# Altium PCB MAIN.PcbDoc (part 2 of 2) (continued)
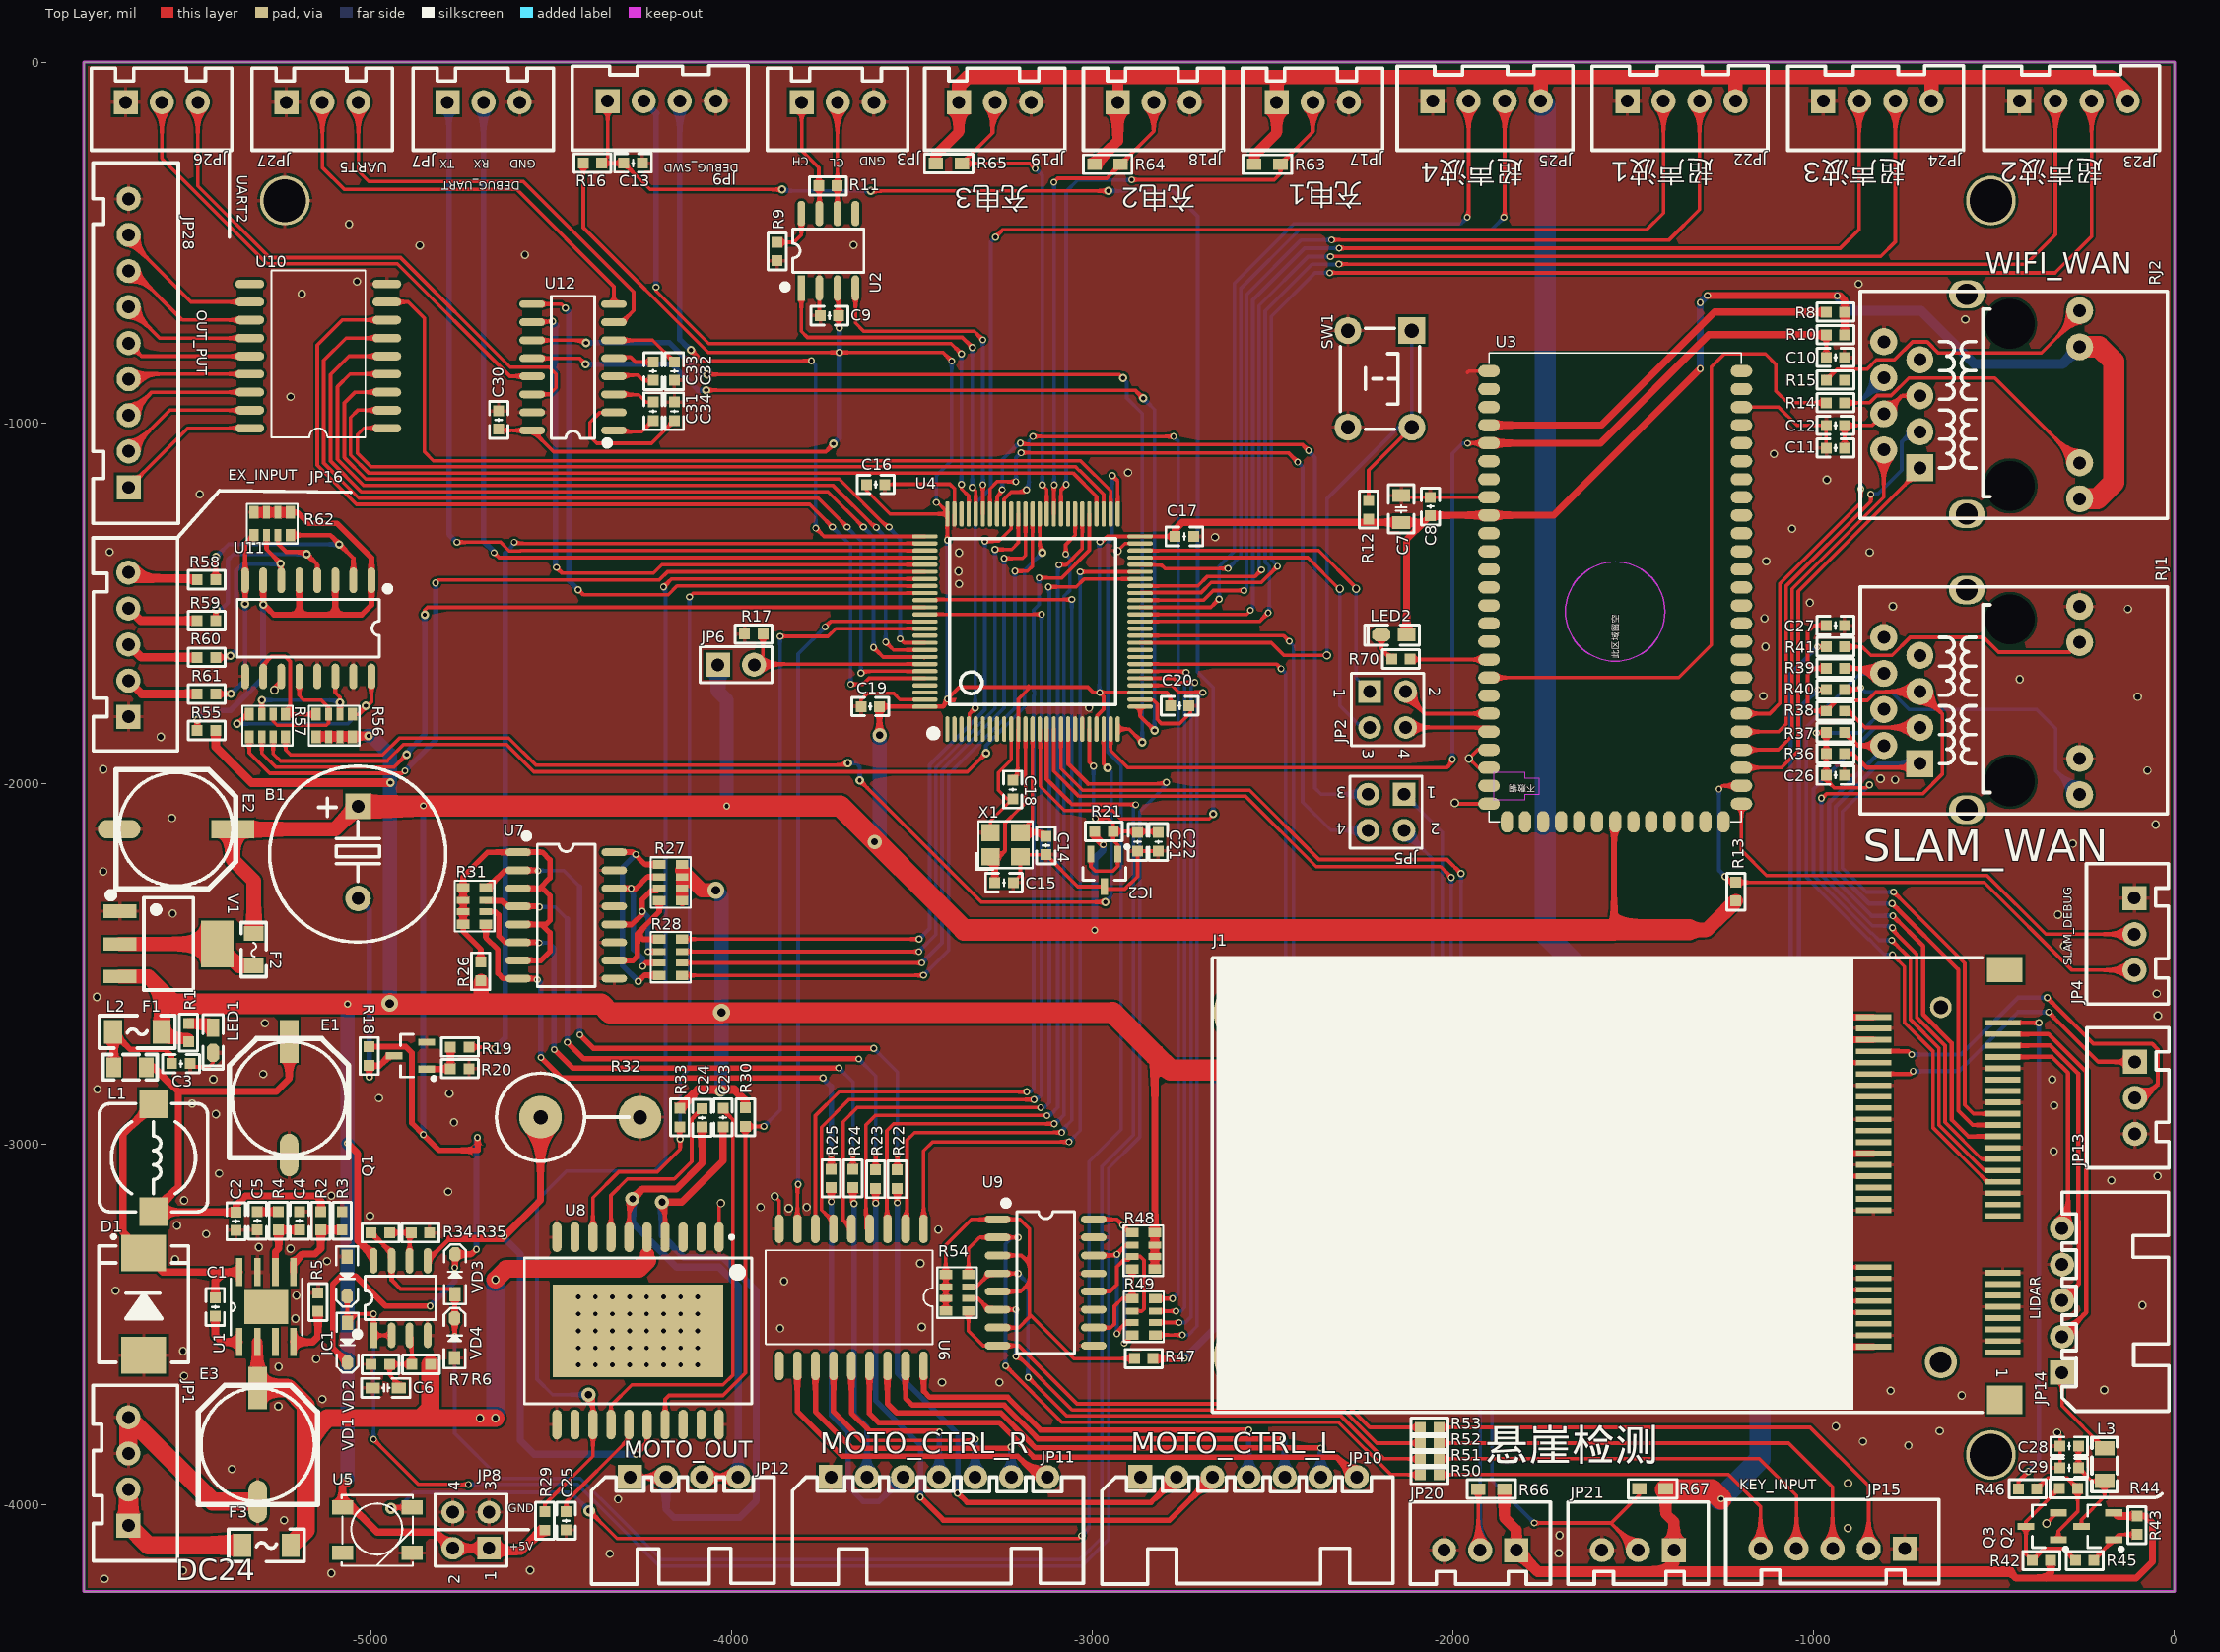
[diagram p0: Top Layer view]
## Nets (pads, with @x,y where several pads share a name; then routed paths per layer and width w, separated by ;. In a path a pad name is that pad's centre, name@x,y a point inside that pad or via, vN(x,y) a via of type N, cw(c..) or ccw(c..) an arc to the next point about the centre after c; other vN are vias at no path point) (continued)
NetJP28_3: JP28.3 U10.16 | length 362.5
  Top Layer w10: JP28.3@-5671,-979 -5607,-915 U10.16@-5335,-915
NetJP28_4: JP28.4 U10.15 | length 341.8
  Top Layer w10: JP28.4@-5671,-879 -5657,-865 U10.15@-5335,-865
NetJP28_5: JP28.5 U10.14 | length 350.9
  Top Layer w10: JP28.5@-5671,-779 -5635,-815 U10.14@-5335,-815
NetJP28_6: JP28.6 U10.13 | length 371.6
  Top Layer w10: JP28.6@-5671,-679 -5585,-765 U10.13@-5335,-765
NetJP28_7: JP28.7 U10.12 | length 392.3
  Top Layer w10: JP28.7@-5671,-579 -5658,-579 -5522,-715 U10.12@-5335,-715
NetJP28_8: JP28.8 U10.11 | length 420.7
  Top Layer w10: JP28.8@-5671,-479 -5671,-492 -5498,-665 U10.11@-5335,-665
NetLED1_1: LED1.1 R1.1 | length 73.1
  Top Layer w30: R1.1@-5505,-2665.41 -5448.34,-2665.41 LED1.1@-5436.74,-2677
NetLED2_2: LED2.2 R70.1 | length 78.5
  Top Layer w10: LED2.2@-2198,-1588.26 -2198,-1626.59 R70.1@-2169.59,-1655
NetQ1_1: Q1.1 R19.1 R20.2 | length 127
  Top Layer w15.75: Q1.1@-4845,-2792.4 -4779.99,-2792.4 R20.2@-4778.59,-2791 R19.1@-4778.59,-2731
NetQ2_1: Q2.1 R43.1 R45.2 | length 150.7
  Top Layer w10: R45.2@-222.41,-4155 -222.41,-4152.81 Q2.1@-167,-4097.4 -152.19,-4082.59 R43.1@-103,-4082.59
NetQ3_1: Q3.1 R44.1 R46.2 | length 302
  Top Layer w10: R46.2@-380.41,-3956 -350.41,-3926 -296.4,-3926 R44.1@-267.41,-3955 -267.41,-4019.44 -321,-4073.03 Q3.1@-321,-4097.4
NetQ3_3: Q3.3 R42.1 R44.2 R45.1 | length 392.8
  Top Layer w10: R44.2@-318.59,-3955 -411,-4047.41 Q3.3@-411,-4060 -411,-4137.6 R42.1@-393.59,-4155 -360.59,-4122 -306.6,-4122 R45.1@-273.59,-4155
NetR2_1: R2.1 R3.2 U1.5 | length 227.4
  Top Layer w20: U1.5@-5214,-3355 -5214,-3330 -5189,-3305 -5154,-3305 -5138,-3289 R2.1@-5138,-3238.59 R3.2@-5079,-3238.59
NetR5_2: R5.2 U1.4 | length 144.6
  Top Layer w20: U1.4@-5214,-3549 -5161,-3549 -5146,-3534 R5.2@-5146,-3463.59
NetR9_1: R9.1 U2.8 | length 134.8
  Top Layer w10: R9.1@-3873,-499.41 -3826.41,-499.41 -3806,-479 U2.8@-3806,-419.65
NetR14_2: R14.2 RJ2.10 | length 777.3
  Top Layer w10: R14.2@-913.41,-944.33 -844.33,-944.33 -824.5,-924.5 -784.49,-924.5 -735.49,-875.5 -497.42,-875.5 RJ2.10@-262.09,-1110.83
NetR15_2: R15.2 RJ2.12 | length 813.7
  Top Layer w10: R15.2@-964.59,-881.5 -934.09,-851 -851,-851 -825.5,-825.5 -775.5,-825.5 -725.5,-775.5 -684.49,-775.5 -654.09,-805.9 -367.9,-805.9 -262.09,-700.09 RJ2.12@-262.09,-689.18
NetR26_2: R26.2 R31.1 R31.2 R31.3 R31.4 U7.1 U7.3 U7.5 U7.7 | length 1066.7
  Top Layer w15: R26.2@-4695,-2495.41 -4695,-2459 -4743.5,-2410.5 R31.4@-4743.5,-2390.39 R31.3@-4743.5,-2355.75 R31.2@-4743.5,-2324.25 R31.1@-4743.5,-2289.61 -4743.5,-2258.5 -4676,-2191 U7.1@-4591.27,-2191 -4524,-2191 -4503,-2212 -4503,-2262 -4532,-2291 ; U7.7@-4591.27,-2491 -4528,-2491 -4503,-2466 -4503,-2414 -4526,-2391 ; U7.5@-4591.27,-2391 -4514,-2391 -4503,-2380 -4503,-2311 -4523,-2291 U7.3@-4591.27,-2291
NetR27_1: R27.1 R28.8 U7.16 | length 590.4
  Top Layer w15: U7.16@-4324.73,-2191 -4273,-2191 -4239.39,-2224.61 R27.1@-4199.5,-2224.61 ; v1(-4258,-2549) -4241.39,-2532.39 R28.8@-4199.5,-2532.39
  Bottom Layer w15: v1(-4265,-2197) -4302.34,-2234.34 -4302.34,-2504.66 v1(-4258,-2549)
NetR27_2: R27.2 R28.7 U7.14 | length 418
  Top Layer w15: U7.14@-4324.73,-2291 -4264,-2291 -4232.25,-2259.25 R27.2@-4199.5,-2259.25 ; v1(-4246,-2507) -4236.75,-2497.75 R28.7@-4199.5,-2497.75
  Bottom Layer w15: v1(-4278,-2291) -4271.34,-2297.66 -4271.34,-2460.08 -4246,-2485.43 v1(-4246,-2507)
NetR27_3: R27.3 R28.6 U7.12 | length 339.5
  Top Layer w15: U7.12@-4324.73,-2391 -4276,-2391 -4247,-2362 -4247,-2321.88 -4223.22,-2298.1 -4206.85,-2298.1 R27.3@-4199.5,-2290.75 ; v1(-4230.75,-2466.25) R28.6@-4199.5,-2466.25
  Bottom Layer w15: v1(-4247,-2355) -4230.75,-2371.25 v1(-4230.75,-2466.25)
NetR27_4: R27.4 R28.5 U7.10 | length 315.6
  Top Layer w15: U7.10@-4324.73,-2491 -4273,-2491 -4261.5,-2479.5 -4261.5,-2417.5 ; R28.5@-4199.5,-2431.61 -4247.39,-2431.61 -4261.5,-2417.5 ; R27.4@-4199.5,-2325.39 -4199.5,-2355.5 -4261.5,-2417.5
NetR28_1: R28.1 U4.63 | length 2095
  Top Layer w10: R28.1@-4136.5,-2532.39 v1@-3466.39,-2532.39 ; v1(-3214,-1411) -3179,-1411 -3164.99,-1396.99 U4.63@-3164.99,-1252.76
  Bottom Layer w10: v1(-3467,-2532) -3398,-2463 -3398,-1975 -3214,-1791 v1(-3214,-1411)
NetR28_2: R28.2 U4.64 | length 2058.9
  Top Layer w10: R28.2@-4136.5,-2497.75 v1@-3471.75,-2497.75 ; v1(-3244,-1376) -3193,-1376 -3184.68,-1367.68 U4.64@-3184.68,-1252.76
  Bottom Layer w10: v1(-3472,-2498) -3416,-2442 -3416,-1963.08 -3243.96,-1791.04 -3244,-1791 v1(-3244,-1376)
NetR28_3: R28.3 U4.65 | length 2011
  Top Layer w10: R28.3@-4136.5,-2466.25 v1(-3480.25,-2466.25) ; v1(-3269,-1351) -3223,-1351 -3204.36,-1332.36 U4.65@-3204.36,-1252.76
  Bottom Layer w10: v1(-3480.25,-2466.25) -3433,-2419 -3433,-1956.04 -3268.98,-1792.02 v1(-3269,-1351)
NetR28_4: R28.4 U4.66 | length 1964.4
  Top Layer w10: R28.4@-4136.5,-2431.61 v1(-3479.61,-2431.61) ; v1(-3297,-1328) -3258,-1328 -3224.05,-1294.05 U4.66@-3224.05,-1252.76
  Bottom Layer w10: v1(-3479.61,-2431.61) -3450,-2402 -3450,-1949 -3297,-1796 v1(-3297,-1328)
NetR40_2: R40.2 RJ1.9 | length 845.2
  Top Layer w10: R40.2@-913.41,-1739.85 -874.85,-1739.85 v1(-869,-1734)
  Bottom Layer w10: v1(-869,-1734) -857.5,-1745.5 -784.49,-1745.5 -734.99,-1795 -381,-1795 -328,-1848 -328,-1964.91 RJ1.9@-262.09,-2030.83
NetR41_2: R41.2 RJ1.11 | length 709.9
  Top Layer w10: R41.2@-913.41,-1621.28 -864.72,-1621.28 -841,-1645 -782,-1645 -732,-1595 -528,-1595 -487,-1636 -288.91,-1636 RJ1.11@-262.09,-1609.18
NetR47_2: R47.2 R54.1 R54.2 R54.3 R54.4 U9.1 U9.3 U9.5 U9.7 | length 1336.4
  Top Layer w10: R54.4@-3405.5,-3462.39 R54.3@-3405.5,-3427.75 R54.2@-3405.5,-3396.25 R54.1@-3405.5,-3361.61 -3405.5,-3280.5 -3334,-3209 U9.1@-3261.93,-3209 -3200,-3209 -3174,-3235 -3174,-3331 ; U9.7@-3261.93,-3509 -3203,-3509 -3174,-3480 -3174,-3471 ; U9.5@-3261.93,-3409 -3198,-3409 -3174,-3385 ; U9.3@-3261.93,-3309 -3196,-3309 -3174,-3331 ; R47.2@-2882.59,-3595 -3050,-3595 -3174,-3471 ; -3174,-3471 -3174,-3385 ; -3174,-3385 -3174,-3331
NetR48_1: R48.1 R49.8 U9.16 | length 484.1
  Top Layer w10: U9.16@-2995.4,-3209 -2931,-3209 -2894.39,-3245.61 R48.1@-2889.16,-3245.61 ; v1(-2911,-3552.23) R49.8@-2888.16,-3529.39
  Bottom Layer w10: v1(-2915,-3225) -2909.16,-3230.84 -2909.16,-3550.39 v1(-2911,-3552.23)
NetR48_2: R48.2 R49.7 U9.14 | length 397.4
  Top Layer w10: U9.14@-2995.4,-3309 -2936,-3309 -2907.25,-3280.25 R48.2@-2889.16,-3280.25 ; v1(-2931,-3526) -2931,-3520 -2905.75,-3494.75 R49.7@-2888.16,-3494.75
  Bottom Layer w10: v1(-2931,-3526) v1(-2931,-3306)
NetR48_3: R48.3 R49.6 U9.12 | length 382.5
  Top Layer w10: U9.12@-2995.4,-3409 -2950,-3409 -2931,-3390 -2931,-3340.75 -2911.85,-3321.6 -2899.01,-3321.6 R48.3@-2889.16,-3311.75 -2866.25,-3311.75 -2856,-3322 -2856,-3457 -2862.25,-3463.25 R49.6@-2888.16,-3463.25
NetR48_4: R48.4 R49.5 U9.10 | length 251.9
  Top Layer w10: U9.10@-2995.4,-3509 -2948,-3509 -2938,-3499 -2938,-3450 -2916.61,-3428.61 R49.5@-2888.16,-3428.61 -2889.16,-3427.61 R48.4@-2889.16,-3346.39
NetR55_2: R55.2 R62.1 R62.2 R62.3 R62.4 U11.1 U11.3 U11.5 U11.7 | length 1558.5
  Top Layer w15.75: v4(-5481,-1824) -5480.59,-1824.41 R55.2@-5480.59,-1853 ; U11.7@-5297.93,-1436.7 v4(-5297.93,-1504.07) -5295.93,-1504.07 -5268,-1532 -5197.93,-1532 ; R62.1@-5222.61,-1248.5 -5202.5,-1248.5 -5172,-1279 -5093,-1279 -4997.93,-1374.07 U11.1@-4997.93,-1436.7 -4997.93,-1504.93 -5025,-1532 -5097.93,-1532 ; U11.5@-5197.93,-1436.7 -5197.93,-1532 ; U11.3@-5097.93,-1436.7 -5097.93,-1532 ; -5197.93,-1532 -5097.93,-1532
  Top Layer w27.56: R62.4@-5323.39,-1248.5 R62.3@-5288.75,-1248.5 R62.2@-5257.25,-1248.5 R62.1@-5222.61,-1248.5
  Bottom Layer w15.75: v4(-5481,-1824) -5481,-1814 -5465,-1798 -5389,-1798 -5298,-1707 -5298,-1706 -5297.93,-1705.93 v4(-5297.93,-1504.07)
NetR56_1: R56.1 R57.8 U11.16 | length 560
  Top Layer w10: v4(-5370,-1835) -5343.5,-1808.5 R57.8@-5336.39,-1808.5 ; R56.1@-5050.61,-1808.5 -5032.5,-1808.5 -4997.93,-1773.93 U11.16@-4997.93,-1703.24
  Bottom Layer w10: v4(-5370,-1835) -5063,-1835 v4(-5013,-1785)
NetR56_2: R56.2 R57.7 U11.14 | length 369.7
  Top Layer w10: v4(-5301.87,-1769.13) -5301.75,-1769.25 R57.7@-5301.75,-1808.5 ; U11.14@-5097.93,-1703.24 -5097.93,-1748.07 -5085.25,-1760.75 R56.2@-5085.25,-1808.5
  Bottom Layer w10: v4(-5301.87,-1769.13) -5091.87,-1769.13 v4(-5085,-1776)
NetR56_3: R56.3 R57.6 U11.12 | length 371.9
  Top Layer w10: R57.6@-5270.25,-1808.5 -5270.25,-1827.75 -5259,-1839 -5123,-1839 -5116.75,-1832.75 R56.3@-5116.75,-1808.5 -5116.75,-1789.25 -5137,-1769 -5186,-1769 -5198,-1757 -5198,-1703.31 U11.12@-5197.93,-1703.24
NetR56_4: R56.4 R57.5 U11.10 | length 367.3
  Top Layer w10: U11.10@-5297.93,-1712.07 U11.10@-5297.93,-1703.24 -5297.93,-1670.93 -5275,-1648 -5237,-1648 -5223,-1662 -5223,-1795.9 R57.5@-5235.61,-1808.5 R56.4@-5151.39,-1808.5
NetU4_25: U4.25 U12.11 | length 2800.7
  Top Layer w10: U12.11@-4552.27,-771 -4410,-771 v4(-4403,-778) v4@-4400,-781 ; v4(-4067,-866) -2924,-866 v4(-2914,-876) ; U4.25@-2928.77,-1849.24 -2897.76,-1849.24 v4(-2861,-1886)
  Bottom Layer w10: v4@-2914.5,-876.5 -2904,-887 -2904,-931 -2861,-974 v4(-2861,-1886)
  Bottom Layer w15: v4(-4403,-778) -4172,-778 -4084,-866 v4(-4067,-866)
NetU4_26: U4.26 U12.12 | length 2757.2
  Top Layer w10: U12.12@-4552.27,-821 -4421,-821 v4(-4404,-838) ; v4(-4069.5,-909.5) -2879,-909.5 -2879,-911 v4(-2858,-932) ; U4.26@-2866.75,-1787.22 -2866.75,-1813.25 v4(-2827,-1853)
  Bottom Layer w10: v4(-2858,-932) -2827,-963 v4(-2827,-1853)
  Bottom Layer w15: v4(-4404,-838) -4164,-838 -4092.5,-909.5 v4(-4069.5,-909.5)
NetU4_44: U4.44 U6.5 | length 2595
  Top Layer w10: U6.5@-3667,-3235 -3690,-3212 -3690,-2938 -3651,-2899 v1(-3143,-2899) ; v1(-3121,-1455) -3044,-1455 -3024.05,-1435.05 -3023.95,-1435.05 -3021.8,-1432.89 U4.44@-2866.75,-1432.89
  Bottom Layer w10: v1(-3143,-2899) -3132,-2899 -3118.16,-2885.16 -3118.16,-1457.84 v1(-3121,-1455)
NetU4_45: U4.45 U6.1 | length 2389.2
  Top Layer w10: U6.1@-3467,-3235 -3467,-3019 -3442,-2994 v1(-3064,-2994) ; v1(-3033,-1413.2) U4.45@-2866.75,-1413.2
  Bottom Layer w10: v1(-3064,-2994) -3033,-2963 v1(-3033,-1413.2)
NetU4_55: U4.55 U6.7 | length 2646.5
  Top Layer w10: U6.7@-3767,-3235 -3767,-2921 -3701,-2855 v1(-3181,-2855) ; v1(-3147,-1430) -3084.07,-1430 -3007.51,-1353.44 U4.55@-3007.51,-1252.76
  Bottom Layer w10: v1(-3181,-2855) -3170,-2855 -3161.84,-2846.84 -3161.84,-1757.01 -3159.77,-1754.94 -3159.77,-1745 -3161.84,-1742.93 -3161.84,-1518.84 -3147,-1504 v1(-3147,-1430)
NetU4_56: U4.56 U6.4 | length 2535.9
  Top Layer w10: U6.4@-3617,-3235 -3627,-3235 -3627,-2947 -3601,-2921 v1(-3125,-2921) ; v1(-3092,-1394) -3072.11,-1394 -3027.2,-1349.09 U4.56@-3027.2,-1252.76
  Bottom Layer w10: v1(-3125,-2921) -3117,-2921 -3094.84,-2898.84 -3094.84,-1396.84 v1(-3092,-1394)
NetU4_57: U4.57 U6.3 | length 2470.9
  Top Layer w10: U6.3@-3567,-3235 -3569,-3233 -3569,-2963 -3550,-2944 v1(-3105,-2944) ; v1(-3073,-1364) -3073,-1338 -3046.88,-1311.88 U4.57@-3046.88,-1252.76
  Bottom Layer w10: v1(-3105,-2944) -3102,-2944 -3077.84,-2919.84 -3077.84,-1480.95 -3062,-1465.11 -3062,-1375 v1(-3073,-1364)
NetU4_80: U4.80 U12.10 | length 1778.4
  Top Layer w10: U12.10@-4552.27,-721 -4550.27,-719 v1(-4496,-719) ; v1(-4485,-1401) -4469,-1417 -4216,-1417 -4192.52,-1393.52 U4.80@-3463.24,-1393.52
  Bottom Layer w15: v1(-4496,-719) -4484,-731 -4487,-734 v1@-4487,-1396
NetU4_83: U4.83 U12.9 | length 1872.8
  Top Layer w10: U12.9@-4552.27,-671 -4471.32,-671 v1(-4460.32,-682) ; v1(-4425,-1463) -4424,-1463 -4410.16,-1476.84 -4174.84,-1476.84 -4150.57,-1452.57 U4.83@-3463.24,-1452.57
  Bottom Layer w15: v1(-4460.32,-682) -4451.16,-691.16 -4451.16,-1436.16 v1@-4422.32,-1465
NetU4_85: U4.85 U6.2 | length 2585.3
  Top Layer w10: U6.2@-3517,-3235 -3513,-3235 -3513,-2989 -3492,-2968 v1(-3084,-2968) ; U4.85@-3463.24,-1491.94 -3461.46,-1490.17 -3056.17,-1490.17 v1(-3056,-1490)
  Bottom Layer w10: v1(-3084,-2968) -3084,-2962 -3056,-2934 v1(-3056,-1490)
NetU4_87: U4.87 U6.6 | length 2598.9
  Top Layer w10: U6.6@-3717,-3235 -3717,-3216 -3750,-3183 -3750,-2953 -3674,-2877 v1(-3161,-2877) ; U4.87@-3463.24,-1531.31 -3462.92,-1531 v1(-3140,-1531)
  Bottom Layer w10: v1(-3161,-2877) -3153,-2877 -3140,-2864 v1(-3140,-1531)
NetU4_88: U4.88 U6.8 | length 1990.9
  Top Layer w10: U6.8@-3817,-3235 -3817,-3114 v1(-3815,-3112) v1@-3815,-3119 ; v1(-3740,-1566) -3725,-1551 U4.88@-3463.24,-1551
  Bottom Layer w10: v1(-3815,-3112) -3815,-1641 v1(-3740,-1566)
NL5VEN: J1.51 R46.1 | length 1418.7
  Top Layer w11.81: J1.51@-475.5,-2663.91 v1(-375.09,-2663.91) ; R46.1@-431.59,-3956 -431.59,-3935.59 v1(-404,-3908)
  Bottom Layer w11.81: v1(-404,-3908) -406,-3908 -375.09,-3877.09 v1(-375.09,-2663.91)
NRST: C13.2 JP9.1 R16.2 U4.14 | length 4253.9
  Top Layer w10: JP9.1@-4343,-108 -4343,-263.59 R16.2@-4359.41,-280 -4298.66,-280 -4225.67,-353 v4(-3859,-353) ; v4(-3613,-357) v4(-2955,-357) ; U4.14@-3145.31,-1849.24 -3143.53,-1851.02 -3143.53,-2008.47 -3076.84,-2075.16 -2942.84,-2075.16 -2920,-2098 -2675,-2098 -2664,-2087 v4(-2664,-2085)
  Bottom Layer w10: v4(-3859,-353) -3855,-357 v4(-3613,-357) ; v4@-2957,-359 v4(-2955,-357) -2777,-357 -2707,-427 -2707,-1691 -2664,-1734 v4(-2664,-2085)
OUTPUT_C1: C24.1 JP12.3 JP12.4 U8.6 | length 1506.2
  Top Layer w10: U8.6@-4283.7,-3258.24 -4283.7,-3161.7 v5(-4274,-3152) ; JP12.3@-4081,-3923.62 JP12.4@-3981,-3923.62
  Top Layer w19.68: v5(-4274,-3152) -4246.47,-3124.47 -4152.47,-3124.47 -4081,-3053 C24.1@-4081,-2953.13
  Bottom Layer w19.68: v5(-4274,-3152) -4274,-3219 -4152,-3341 -4034,-3341 -3981,-3394 JP12.4@-3981,-3923.62
OUTPUT_C2: C23.2 JP12.1 JP12.2 U8.4 | length 1881.4
  Top Layer w10: JP12.1@-4281,-3923.62 JP12.2@-4181,-3923.62 ; v5(-4192,-3161) -4183.7,-3169.3 U8.4@-4183.7,-3258.24
  Top Layer w19.68: v5(-4192,-3161) -4137,-3161 -4023,-3047 C23.2@-4023,-2952.12
  Bottom Layer w19.68: v5(-4192,-3161) -4192,-3254 -4131.68,-3314.31 -4022.95,-3314.31 -3930.69,-3406.57 -3930.69,-3989.69 -3977,-4036 -4159,-4036 -4181,-4014 JP12.2@-4181,-3923.62
PA9: JP5.3 U4.68 | length 2135.3
  Top Layer w10: U4.68@-3263.42,-1252.76 -3263.42,-1205.42 -3246,-1188 v1(-3249,-1185) ; v1(-3199,-1056) -3195.16,-1059.84 -2417.16,-1059.84 v1(-2400,-1077)
  Bottom Layer w10: v1(-3249,-1185) -3249,-1102 -3203,-1056 v1(-3199,-1056) ; v1@-2402,-1076 -2382,-1096 -2382,-2013 -2365,-2030 JP5.3@-2235,-2030
PA10: JP5.4 U4.69 | length 2177.2
  Top Layer w10: U4.69@-3283.1,-1252.76 -3283.1,-1182.99 -3263.11,-1163 v1(-3211,-1163) ; v1(-3197,-1083) -2456,-1083 v1(-2430,-1109)
  Bottom Layer w10: v1(-3211,-1163) -3211,-1097 v1(-3197,-1083) ; v1@-2431,-1108 -2416,-1123 -2416,-2052 -2338,-2130 JP5.4@-2235,-2130
PA13: JP9.2 U4.72 | length 1911.5
  Top Layer w10: v1(-4209,-624) -4209,-634 -4063,-780 -3391,-780 v1(-3362,-809) ; v1(-3362,-1171) -3362,-1183 -3342.16,-1202.84 U4.72@-3342.16,-1252.76
  Bottom Layer w10: v1(-3362,-1171) v1(-3362,-809)
  Bottom Layer w15: v1(-4209,-624) -4209,-142
  Bottom Layer w19.68: JP9.2@-4243,-108 -4209,-142
PA14: JP9.3 U4.76 | length 1836.7
  Top Layer w10: v4@-4115,-801 v4(-4112,-798) -4082,-828 v1(-3778,-828) ; v1(-3766,-1292) -3743.22,-1314.78 U4.76@-3463.24,-1314.78
  Bottom Layer w10: JP9.3@-4143,-108 JP9.3@-4138,-113 ; v1@-3779,-827 v1(-3778,-828) -3766,-840 v1(-3766,-1292)
  Bottom Layer w15: JP9.3@-4143,-108 -4143,-769 v4@-4118,-794
PB0: R12.1 SW1.1 SW1.4 U4.35 | length 1803.1
  Top Layer w10: U4.35@-2866.75,-1610.06 -2502.94,-1610.06 -2468,-1645 v2@-2351,-1645 ; R12.1@-2233,-1215.41 -2233,-1131.44 SW1.4@-2113.42,-1011.86
  Bottom Layer w10: v2(-2349,-1645) -2349,-1211 -2149.86,-1011.86 SW1.4@-2113.42,-1011.86 SW1.1@-2113.42,-744.14
PB10_MCUTX: JP2.3 U4.47 | length 1017.4
  Top Layer w10: U4.47@-2866.75,-1373.83 -2402.17,-1373.83 v2@-2317,-1459
  Bottom Layer w10: v2(-2313,-1460) -2313,-1785 -2253,-1845 JP2.3@-2230.49,-1845
PB11_MCURX: JP2.1 U4.48 | length 943
  Top Layer w10: U4.48@-2866.75,-1354.15 -2371.85,-1354.15 v2@-2267.5,-1458.5
  Bottom Layer w10: v2(-2268,-1460) -2268,-1707.49 JP2.1@-2230.49,-1745
PB12: U4.51 U5.4 | length 5169.4
  Top Layer w10: v6(-4944,-4010) -4941.9,-4007.9 U5.4@-4885.19,-4007.9 ; v6(-4394,-4017) -4317,-4094 -3037,-4094 v1@-3028,-4085 ; v1(-2944,-1146) -2928.77,-1161.23 U4.51@-2928.77,-1252.76
  Bottom Layer w10: v6(-4944,-4010) -4925,-4010 -4881,-3966 -4445,-3966 v6(-4394,-4017) ; v1(-3029,-4086) -3008,-4065 -3008,-3048.88 -2919.19,-2960.06 -2919.19,-1950.81 -2956,-1914 -2956,-1333 -2944,-1321 v1(-2944,-1146)
PC10_TX: JP7.1 U4.78 | length 2538.9
  Top Layer w10: v1(-4761,-1331) -4640,-1331 -4615.94,-1355.06 -4585.06,-1355.06 -4584.15,-1354.15 U4.78@-3463.24,-1354.15
  Bottom Layer w10: JP7.1@-4787,-111 JP7.1@-4783,-115
  Bottom Layer w15: JP7.1@-4783,-115 -4783,-1309 v1(-4761,-1331)
PC11_RX: JP7.2 U4.79 | length 2458.5
  Top Layer w10: v1(-4658,-1360) -4644.17,-1373.83 U4.79@-3463.24,-1373.83
  Bottom Layer w15: JP7.2@-4687,-111 -4687,-1328 v1@-4658,-1357
RIN13: R22.2 R31.8 U7.2 | length 1911.4
  Top Layer w10: R22.2@-3540,-3071.95 v1(-3540,-3028)
  Top Layer w15: R31.8@-4678,-2292.11 -4626.9,-2241 U7.2@-4591.27,-2241 v1@-4537,-2241 ; v1(-4420,-2697) -4382,-2735 v1(-3605,-2735)
  Bottom Layer w10: -4546,-2242 v1(-4536,-2242) -4465,-2242 -4420,-2287 ; v1(-3605,-2735) -3540,-2800 v1(-3540,-3028)
  Bottom Layer w15: v1(-4420,-2697) -4420,-2287
RIN14: R23.2 R31.7 U7.4 | length 1746.9
  Top Layer w10: R23.2@-3600,-3071.95 v1(-3600,-3025)
  Top Layer w15: R31.7@-4680.5,-2326 -4635,-2326 -4620,-2341 U7.4@-4591.27,-2341 v1@-4534,-2341 ; v1(-4455,-2718) -4409,-2764 v1(-3647,-2764)
  Bottom Layer w10: v1@-4539,-2343 v1(-4532,-2343) -4488,-2343 -4455,-2376 ; v1(-3647,-2764) -3600,-2811 v1(-3600,-3025)
  Bottom Layer w15: v1(-4455,-2718) -4455,-2376
RIN15: R24.2 R31.6 U7.6 | length 1652.2
  Top Layer w10: R24.2@-3663,-3069.95 v1(-3663,-3028)
  Top Layer w15: R31.6@-4680.5,-2355.75 -4654.25,-2355.75 -4645,-2365 -4645,-2423 -4627,-2441 U7.6@-4591.27,-2441 v1@-4534,-2441 ; v1(-4491,-2738) -4440,-2789 v1(-3702,-2789)
  Bottom Layer w10: v1(-4533,-2442) -4506,-2442 -4491,-2457 ; v1(-3702,-2789) -3663,-2828 v1(-3663,-3028)
  Bottom Layer w15: v1(-4491,-2738) -4491,-2457
RIN16: R25.2 R31.5 U7.8 | length 1552.5
  Top Layer w15: R31.5@-4680.5,-2390.39 -4680.5,-2427.5 -4647,-2461 -4647,-2527 -4633,-2541 U7.8@-4591.27,-2541 v1@-4541,-2541 ; v1@-4528,-2758 v1(-4528,-2760) -4471,-2817 v1(-3746,-2817) ; R25.2@-3723,-3069.95 v1(-3723,-3028)
  Bottom Layer w15: v1(-4538,-2544) -4528,-2554 v1(-4528,-2760) ; v1(-3746,-2817) -3723,-2840 v1(-3723,-3028)
RIN17: R50.1 R54.8 U9.2 | length 1878.1
  Top Layer w10: R54.8@-3342.5,-3361.61 -3342.5,-3289.5 -3312,-3259 U9.2@-3261.93,-3259 v1(-3205,-3259) ; v1(-3240,-3615) -3083.84,-3771.16 -2316.84,-3771.16 -2171.33,-3916.67 R50.1@-2089.59,-3916.67
  Bottom Layer w10: v1(-3240,-3615) -3240,-3277 -3222,-3259 v1(-3205,-3259)
RIN18: R51.1 R54.7 U9.4 | length 1633.6
  Top Layer w10: R54.7@-3342.5,-3396.25 -3321.25,-3396.25 -3284,-3359 U9.4@-3261.93,-3359 v1(-3205,-3359) ; v1(-3177,-3647) -3069.84,-3754.16 -2309.8,-3754.16 -2190.96,-3873 R51.1@-2089.59,-3873
  Bottom Layer w10: v1(-3205,-3359) -3178,-3386 -3178,-3646 v1(-3177,-3647)
RIN19: R52.1 R54.6 U9.6 | length 1496.6
  Top Layer w10: R54.6@-3342.5,-3427.75 -3316.25,-3427.75 -3285,-3459 U9.6@-3261.93,-3459 v1(-3211,-3459) ; v1(-3211,-3589) -3207.16,-3585.16 -3055.16,-3737.16 -2302.76,-3737.16 -2210.58,-3829.33 R52.1@-2089.59,-3829.33
  Bottom Layer w10: v1@-3211,-3587 v1(-3211,-3459)
RIN20: R53.1 R54.5 U9.8 | length 1419.7
  Top Layer w10: R54.5@-3342.5,-3462.39 -3342.5,-3518.5 -3302,-3559 U9.8@-3261.93,-3559 -3203,-3559 -3041.84,-3720.16 -2295.72,-3720.16 -2230.21,-3785.67 R53.1@-2089.59,-3785.67
RXI1_N: RJ2.2 U3.B4 | length 1054.7
  Top Layer w10: U3.B4@-1199.5,-1906.5 -1097.5,-1906.5 -1059,-1868 -1059,-1460.08 -805,-1206.08 RJ2.2@-805,-1075
RXI1_P: RJ2.1 U3.B3 | length 1101.4
  Top Layer w10: U3.B3@-1199.5,-1956.5 -1088.5,-1956.5 -1042,-1910 -1042,-1467.12 -705,-1130.12 RJ2.1@-705,-1125
TXO1_N: RJ2.6 U3.B6 | length 1140.6
  Top Layer w10: U3.B6@-1199.5,-1806.5 -1121.5,-1806.5 -1093,-1778 -1093,-1446 -869,-1222 v1(-869,-1183)
  Bottom Layer w10: v1(-869,-1183) -869,-939 RJ2.6@-805,-875
TXO1_P: RJ2.3 U3.B5 | length 1121.4
  Top Layer w10: U3.B5@-1199.5,-1856.5 -1096.5,-1856.5 -1076,-1836 -1076,-1453.04 -841,-1218.04 v1(-841,-1198)
  Bottom Layer w10: v1(-841,-1198) -822,-1198 -755.5,-1131.5 -755.5,-1053.99 -756,-1053.49 -727.51,-1025 RJ2.3@-705,-1025
VIN: E3.1 F3.2 R6.2 U1.2 U8.5 | length 2242.4
  Top Layer w30: E3.1@-5314,-3675.52 U1.2@-5314,-3549
  Top Layer w39.37: -4233,-3323 -4233,-3305
  Top Layer w50: E3.1@-5314,-3675.52 E3.1@-5313,-3676.52 -5228.48,-3676.52 -5180,-3725 -5180,-3820 ; F3.2@-5221.5,-4113 -5180,-4071.5 -5180,-3820 ; R6.2@-4834.41,-3611 -4834.41,-3732.41 -4862,-3760 ; v2(-4654,-3760) v2(-4697,-3760) -4862,-3760 ; v2(-4654,-3376) -4624,-3346 -4256,-3346 -4233,-3323 ; -5180,-3820 -5120,-3760 -4862,-3760
  Bottom Layer w50: v2(-4654,-3760) v2(-4654,-3376)
VOLTAGETEST: IC1.1 IC1.2 U4.18 VD1.1 VD2.2 | length 5383
  Top Layer w10: VD2.2@-5065,-3422.24 -5065,-3495 VD1.1@-5064,-3496 -5039,-3471 v1(-4992,-3471) IC1.1@-4992,-3530.35 IC1.2@-4942,-3530.35 ; v1(-4992,-3819) -4867,-3944 v1(-4729,-3944) ; -3011,-2001 v1@-2798,-2001
  Top Layer w11.81: U4.18@-3066.57,-1849.24 -3065.69,-1850.12 -3065.69,-1946.31 -3011,-2001
  Bottom Layer w10: v1@-4992,-3821 v1(-4992,-3819) v1(-4992,-3471) ; v1(-4729,-3944) -4426.04,-3944 -4328,-4042.04 ; -4328,-4042.08 -4202.08,-4168 ; -4202.04,-4168 -4200.04,-4170 -3028,-4170 -2954,-4096 -2954,-3067 -2868,-2981 -2868,-2078.89 -2794,-2004.89 v1(-2794,-1997)
VREF+: C21.2 C22.2 IC2.1 IC2.2 R21.1 U4.21 | length 675.6
  Top Layer w10: U4.21@-3007.51,-1849.24 -3007.51,-1940.49 v1(-2996,-1952) ; IC2.2@-3003.4,-2196 -3003.4,-2230.6 -2991,-2243 -2942,-2243 -2928.6,-2229.6 IC2.1@-2928.6,-2196 ; v1(-2991,-2097) -2956,-2097 -2941.41,-2111.59 R21.1@-2941.41,-2133 ; IC2.1@-2929.52,-2195.97 -2928.6,-2170.4 -2941.41,-2157.59 R21.1@-2941.41,-2133 ; C22.2@-2819.41,-2133 R21.1@-2941.41,-2133
  Bottom Layer w10: v1(-2996,-1952) -2996,-2092 v1(-2991,-2097)
WIFI_RUN_LED: R70.2 U3.C9 | length 219.5
  Top Layer w10: R70.2@-2118.41,-1655 -2116.92,-1656.5 U3.C9@-1899.5,-1656.5
WLED: J1.44 R41.1 | length 1451.1
  Top Layer w11.81: v1(-1073,-2774) -1072.85,-2774.15 J1.44@-833.77,-2774.15 ; v1(-988.72,-1621.28) R41.1@-964.59,-1621.28
  Bottom Layer w11.81: v1(-1073,-2774) -1063,-2764 -1063,-1695.56 v1(-988.72,-1621.28)
WPS_RST_PCB: R8.2 U3.C22 | length 1064.8
  Top Layer w19.68: U3.C22@-1899.5,-1006.5 -1587.5,-1006.5 -1274,-693 R8.2@-964.59,-693
pads on no net: J1.0 J1.1 J1.5 J1.6 J1.7 J1.11 J1.13 J1.17 J1.19 J1.20 J1.22 J1.30 J1.32 J1.36 J1.38 J1.39 J1.41 J1.55 J1.56 R15.1 RJ1.0 RJ1.7 RJ2.0 RJ2.7 U1.3 U1.9 U2.5 U3.A1 U3.A2 U3.A3 U3.A4 U3.A5 U3.A6 U3.A8 U3.A9 U3.A10 U3.A11 U3.A12 U3.A13 U3.B7 U3.B8 U3.B9 U3.B10 U3.B11 U3.B12 U3.B13 U3.B14 U3.B15 U3.B16 U3.B17 U3.B18 U3.B19 U3.B20 U3.B21 U3.B22 U3.B24 U3.B25 U3.C2 U3.C7 U3.C10 U3.C11 U3.C12 U3.C13 U3.C14 U3.C15 U3.C16 U3.C19 U3.C20 U3.C23 U3.C24 U4.1 U4.2 U4.3 U4.5 U4.6 U4.7 U4.8 U4.9 U4.33 U4.34 U4.37 U4.58 U4.73 U4.90 U4.97 U4.98 U5.2 U6.10 U8.2 U8.3 U8.9 U8.12 U8.18 U8.19 U8.21 U10.10
copper on no net:
  other v3: -4424.05,-3612.59 -4376.81,-3612.59 -4329.57,-3612.59 -4282.32,-3612.59 -4235.08,-3612.59 -4187.83,-3612.59 -4140.59,-3612.59 -4093.35,-3612.59 -4424.05,-3565.34 -4376.81,-3565.34 -4329.57,-3565.34 -4282.32,-3565.34 -4235.08,-3565.34 -4187.83,-3565.34 -4140.59,-3565.34 -4093.35,-3565.34 -4424.05,-3518.1 -4376.81,-3518.1 -4329.57,-3518.1 -4282.32,-3518.1 -4235.08,-3518.1 -4187.83,-3518.1 -4140.59,-3518.1 -4093.35,-3518.1 -4424.05,-3470.86 -4376.81,-3470.86 -4329.57,-3470.86 -4282.32,-3470.86 -4235.08,-3470.86 -4187.83,-3470.86 -4140.59,-3470.86 -4093.35,-3470.86 -4424.05,-3423.61 -4376.81,-3423.61 -4329.57,-3423.61 -4282.32,-3423.61 -4235.08,-3423.61 -4187.83,-3423.61 -4140.59,-3423.61 -4093.35,-3423.61

## Polygon pours and split planes (outlines as drawn)
GND on Top Layer "Top Layer-No Net" (solid, remove dead copper, pour order 2): -5795,0 -5795,-4241 1,-4241 1,0 -5,0 -5795,0
GND on Bottom Layer "Top Layer-No Net" (solid, remove dead copper, pour order 3): -5795,0 -5795,-4241 1,-4241 1,0 -5795,0

## Keep-outs
Keep-Out Layer:
  the board outline again, w7.87

## Other copper
Top Layer:
  pour cut-out: -1896,-809 -1201,-809 -1201,-2104.5 -1200.5,-2105 -1900,-2105 -1900,-813
  pour cut-out: -1892,-806 -1889,-803 -1216,-803 -1216,-2106 -1214,-2108 -1897,-2108 -1897,-810
  pour cut-out: -1897,-810 -1896,-809 -1201,-809 -1201,-2104.5 -1200.5,-2105 -1900,-2105 -1900,-813.5 -1894.5,-808
  pour cut-out: -1567,-1824 -1769,-1824 -1869.2,-1723.8 -1851.89,-1706.5 -1236.97,-1706.5 -1236.97,-2064.81 -1233.48,-2068.3 -1250.44,-2085.27 -1872.33,-2085.27 -1872.33,-1714.33 -1862,-1704 -1384,-1704
  pour cut-out: -1892,-1702 -1361,-1702 -1280,-1621 -1280,-828 -1282,-826 -1273,-817 -1170,-817 -1170,-2039 -1240,-2109 -1246.46,-2102.54 -1873.97,-2102.54 -1873.97,-1732.03 -1899.5,-1706.5
  pour cut-out: -1894.5,-808 -1893.5,-809 -1201,-809 -1201,-2104.5 -1204.5,-2108 -1897,-2108 -1897,-810 -1901,-806
  pour cut-out: -1896,-801 -1199,-801 -1192,-808 -1192,-2105 -1900,-2105 -1900,-2085
Bottom Layer:
  pour cut-out: -1899,-805 -1896,-808 -1200,-808 -1200,-2106 -1199,-2107 -1898,-2107 -1898,-804

## Silkscreen, mask and mechanical layers (free items; w line width, h text height)
Top Overlay:
  lines w10: -5535.43,-1318.94 -5419,-1188 -5055,-1193 ; -5392.09,-485.1 -5392.09,-249.1 ; -4818,-4069 -4563,-4069 ; -241.82,-3980.59 -58.92,-3980.59 ccw(c-58.92,-3944.12) -33.13,-3969.9
  text "GND" at -3573,-255 h40 r180
  text "CH" at -3785,-256 h40 r180
  text "超声波1" at -1275,-258 h98.43 r180
  text "超声波2" at -196,-258 h98.43 r180
  text "CL" at -3687,-260 h40 r180
  text "超声波4" at -1802,-260 h98.43 r180
  text "超声波3" at -742,-260 h98.43 r180
  text "RX" at -4671,-262 h40 r180
  text "TX" at -4767,-263 h40 r180
  text "GND" at -4542,-263 h40 r180
  text "UART5" at -4954,-268 h50 r180
  text "DEBUG_SWD" at -3980,-273 h40 r180
  text "UART2" at -5379,-313 h50 r270
  text "充电1" at -2249,-321 h98.43 r180
  text "DEBUG_UART" at -4586,-323 h40 r180
  text "充电2" at -2712,-329 h98.43 r180
  text "充电3" at -3174,-331 h98.43 r180
  text "WIFI_WAN" at -524,-606 h100
  text "OUT_PUT" at -5492,-687 h50 r270
  text "EX_INPUT" at -5395,-1168 h50
  text "SLAM_WAN" at -862,-2244 h150
  text "SLAM_DEBUG" at -275,-2505 h40 r90
  text "LIDAR" at -361,-3486 h50 r90
  text "MOTO_CTRL_R" at -3754,-3877 h98.43
  text "MOTO_CTRL_L" at -2892,-3877 h98.43
  text "MOTO_OUT" at -4298,-3885 h78.74
  text "悬崖检测" at -1910,-3906 h150
  text "KEY_INPUT" at -1205,-3968 h50
  text "GND" at -4619,-4030 h40
  text "+5V" at -4616,-4135 h40
  text "DC24" at -5541,-4229 h100

## Text inside footprints (layer, text, board x,y; h text height)
J1: Top Overlay "1" at -491.98,-3620.6 h31.5 r270
JP2: Top Overlay "3" at -2250.49,-1905 h31.5 r270; Top Overlay "4" at -2150.49,-1905 h31.5 r270; Top Overlay "2" at -2066.49,-1732 h31.5 r270; Top Overlay "1" at -2329.49,-1737 h31.5 r270
JP5: Top Overlay "3" at -2295,-2010 h31.5 r180; Top Overlay "4" at -2295,-2110 h31.5 r180; Top Overlay "2" at -2035,-2110 h31.5 r180; Top Overlay "1" at -2045,-2010 h31.5 r180
JP8: Top Overlay "3" at -4652,-3961 h31.5 r90; Top Overlay "4" at -4752,-3961 h31.5 r90; Top Overlay "2" at -4752,-4221 h31.5 r90; Top Overlay "1" at -4652,-4211 h31.5 r90
U3: Top Overlay "此区域留空" at -1533.5,-1654.5 h31.5 r90; Top Overlay "不敷铜" at -1770.5,-1998.5 h31.5 r180